# KiCad board AmigaPCI Mainboard.kicad_pcb (continued)
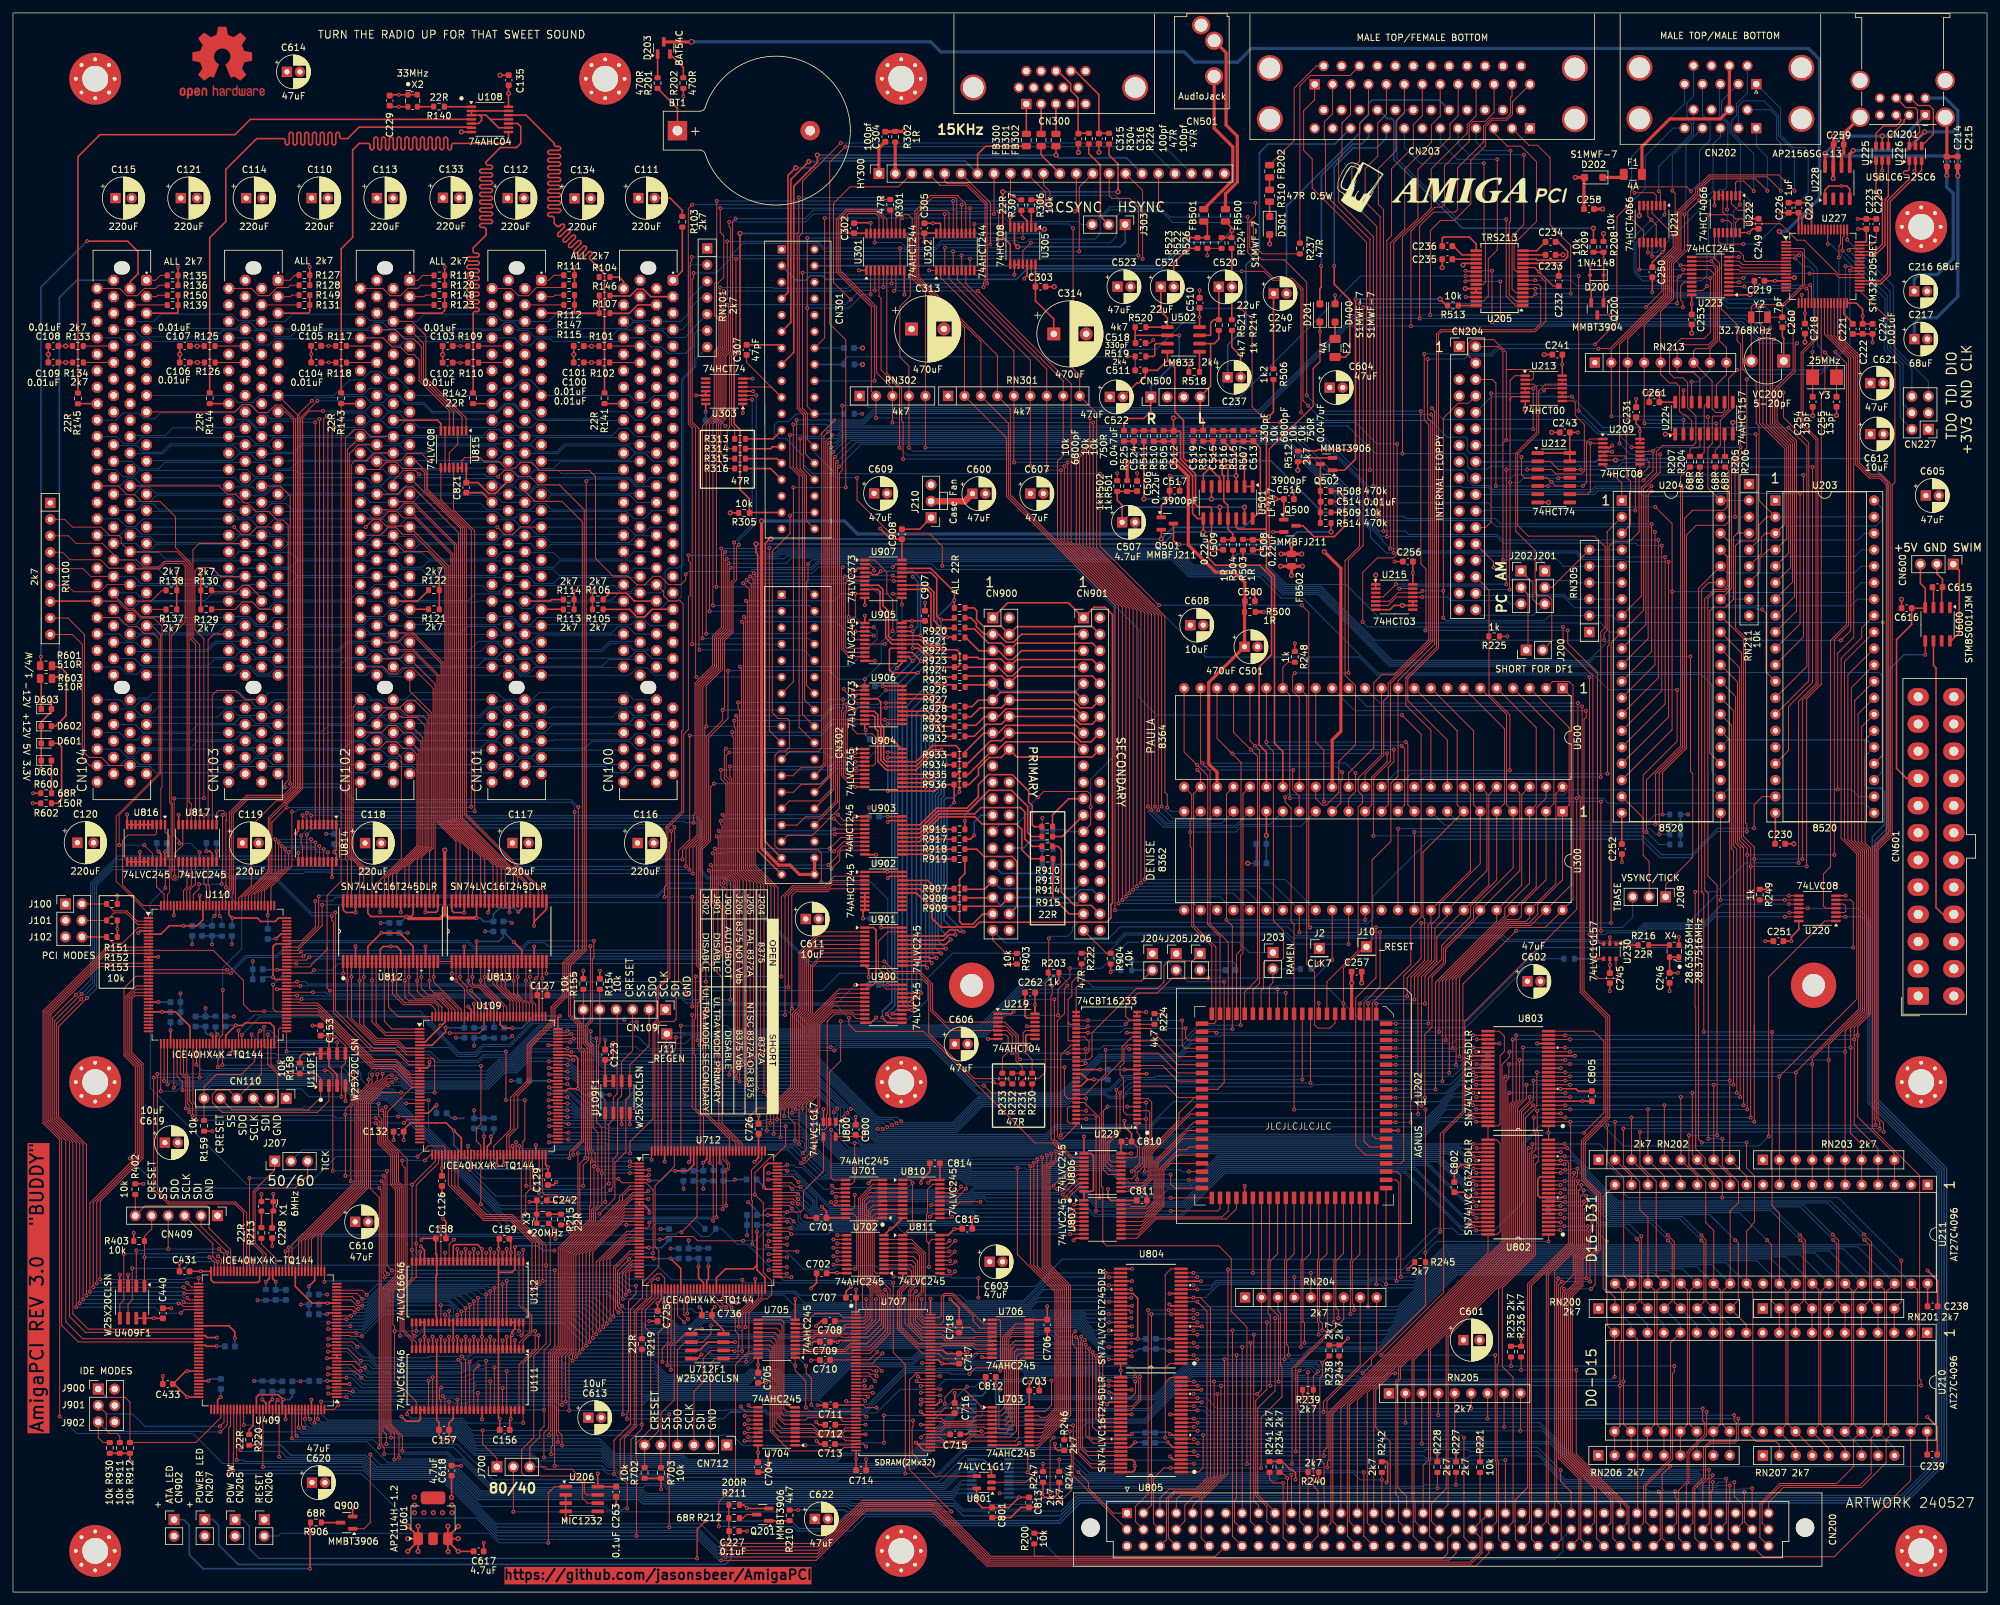
[diagram p0: board, top side]
## Placement (name value [footprint] x y rotation side) (continued)
J203  RAMEN  [PinHeader_1x02_P2.54mm_Vertical]  194.54 98.75 0 top
J204  8375/8372A  [PinHeader_1x02_P2.54mm_Vertical]  175.93 98.58 0 top
J205  Short for 8327A NTSC or 8375  [PinHeader_1x02_P2.54mm_Vertical]  179.61 98.58 0 top
J206  SHORT FOR 8375 Vbb  [PinHeader_1x02_P2.54mm_Vertical]  183.28 98.58 0 top
J207  TICK  [PinHeader_1x03_P2.54mm_Vertical]  40.41 66.53 90 top
J208  TBASE  [PinHeader_1x03_P2.54mm_Vertical]  255.17 107.35 270 top
J210  Case Fan  [FanHeader_1x03_P2.54mm_Vertical]  141.76 165.9 180 top
J303  HSYNC/COMPSYNC  [PinHeader_1x03_P2.54mm_Vertical]  171.72 211.16 270 top
J700  RAM CLOCK  [PinHeader_1x03_P2.54mm_Vertical]  74.72 19.34 90 top
J901  IDE MODES  [PinHeader_2x03_P2.54mm_Vertical]  13.17 31.35 0 top
JPCI1  PCI MODES  [PinHeader_2x03_P2.54mm_Vertical]  8.11 106.25 0 top
Q200  MMBT3904  [SOT-23]  244.62 198.14 270 top
Q201  MMBT3906  [SOT-23]  115.77 11.96 180 top
Q500  MMBFJ211  [SOT-23]  197.16 164.64 0 top
Q501  MMBFJ211  [SOT-23]  178.24 164.99 0 top
Q502  MMBT3906  [SOT-23]  202.81 174.18 180 top
Q900  MMBT3906  [SOT-23]  51.52 10.72 180 top
R101  2k7  [R_0603_1608Metric]  91.31 192.41 180 top
R102  2k7  [R_0603_1608Metric]  91.31 189.86 180 top
R103  2k7  [R_0603_1608Metric]  103.35 211.6 90 top
R104  2k7  [R_0603_1608Metric]  91.34 203.06 0 top
R105  2k7  [R_0603_1608Metric]  90.3 151.75 0 top
R106  2k7  [R_0603_1608Metric]  90.3 153.28 0 top
R107  2k7  [R_0603_1608Metric]  91.35 197.48 0 top
R109  2k7  [R_0603_1608Metric]  71.06 192.41 180 top
R110  2k7  [R_0603_1608Metric]  71.06 189.84 180 top
R111  2k7  [R_0603_1608Metric]  85.88 203.34 0 top
R112  2k7  [R_0603_1608Metric]  85.88 201.81 180 top
R113  2k7  [R_0603_1608Metric]  85.81 151.73 180 top
R114  2k7  [R_0603_1608Metric]  85.81 153.26 180 top
R115  2k7  [R_0603_1608Metric]  85.88 198.75 180 top
R117  2k7  [R_0603_1608Metric]  50.66 192.43 180 top
R118  2k7  [R_0603_1608Metric]  50.69 189.85 180 top
R119  2k7  [R_0603_1608Metric]  65.84 203.31 0 top
R120  2k7  [R_0603_1608Metric]  65.84 201.79 180 top
R121  2k7  [R_0603_1608Metric]  65 151.76 180 top
R122  2k7  [R_0603_1608Metric]  65 154.71 180 top
R123  2k7  [R_0603_1608Metric]  65.84 198.75 180 top
R125  2k7  [R_0603_1608Metric]  30.37 192.41 180 top
R126  2k7  [R_0603_1608Metric]  30.39 189.86 180 top
R127  2k7  [R_0603_1608Metric]  45 203.35 0 top
R128  2k7  [R_0603_1608Metric]  45 201.8 180 top
R129  2k7  [R_0603_1608Metric]  29.84 151.74 0 top
R130  2k7  [R_0603_1608Metric]  29.84 154.69 0 top
R131  2k7  [R_0603_1608Metric]  45 198.74 180 top
R133  2k7  [R_0603_1608Metric]  10.02 192.41 180 top
R134  2k7  [R_0603_1608Metric]  10.06 189.86 180 top
R135  2k7  [R_0603_1608Metric]  24.66 203.31 0 top
R136  2k7  [R_0603_1608Metric]  24.66 201.79 180 top
R137  2k7  [R_0603_1608Metric]  24.47 151.73 180 top
R138  2k7  [R_0603_1608Metric]  24.47 154.68 180 top
R139  2k7  [R_0603_1608Metric]  24.66 198.72 180 top
R140  22R  [R_0603_1608Metric]  65.78 229.38 180 top
R141  22R  [R_0603_1608Metric]  91.34 184.34 90 top
R142  22R  [R_0603_1608Metric]  71.02 184.34 90 top
R143  22R  [R_0603_1608Metric]  50.67 184.34 90 top
R144  22R  [R_0603_1608Metric]  30.38 184.34 90 top
R145  22R  [R_0603_1608Metric]  10.03 184.31 90 top
R146  2k7  [R_0603_1608Metric]  91.35 200.2 0 top
R147  2k7  [R_0603_1608Metric]  85.88 200.28 180 top
R148  2k7  [R_0603_1608Metric]  65.84 200.27 180 top
R149  2k7  [R_0603_1608Metric]  45 200.27 180 top
R150  2k7  [R_0603_1608Metric]  24.66 200.25 180 top
R151  10k  [R_0603_1608Metric]  15.28 106.25 180 top
R152  10k  [R_0603_1608Metric]  15.28 103.71 180 top
R153  10k  [R_0603_1608Metric]  15.28 101.16 180 top
R154  10k  [R_0603_1608Metric]  90.62 93.91 270 top
R155  10k  [R_0603_1608Metric]  88.06 93.91 270 top
R156  100R  [R_0603_1608Metric]  74.27 86.36 90 bottom
R157  100R  [R_0603_1608Metric]  74.24 72.37 270 bottom
R158  10k  [R_0603_1608Metric]  44.28 80.88 270 top
R159  10k  [R_0603_1608Metric]  29.51 72 90 top
R160  100R  [R_0603_1608Metric]  32.27 102.1 90 bottom
R161  100R  [R_0603_1608Metric]  31.27 88.1 270 bottom
R200  10k  [R_0603_1608Metric]  157.69 8.26 90 top
R201  470R  [R_0603_1608Metric]  99.53 233.01 90 top
R202  470R  [R_0603_1608Metric]  103.5 233.01 90 top
R203  1k  [R_0603_1608Metric]  160.67 95.65 0 top
R204  68R  [R_0603_1608Metric]  260.46 174.54 270 top
R205  68R  [R_0603_1608Metric]  262.84 174.54 270 top
R206  68R  [R_0603_1608Metric]  264.36 174.54 270 top
R207  68R  [R_0603_1608Metric]  258.94 174.54 270 top
R208  10k  [R_0603_1608Metric]  245.57 207.72 90 top
R209  10k  [R_0603_1608Metric]  244.02 207.72 270 top
R210  4k7  [R_0603_1608Metric]  119.91 11.84 270 top
R211  68R  [R_0603_1608Metric]  111.35 11.44 0 top
R212  200R  [R_0603_1608Metric]  111.35 13.46 180 top
R213  22R  [R_0603_1608Metric]  38.36 55.45 90 top
R214  1k  [R_0603_1608Metric]  188.2 195.64 270 top
R215  22R  [R_0603_1608Metric]  84.62 57.52 90 top
R216  22R  [R_0603_1608Metric]  251.75 99.9 0 top
R217  22R  [R_0603_1608Metric]  240.29 97.79 0 bottom
R218  22R  [R_0603_1608Metric]  107.68 56.09 0 bottom
R219  22R  [R_0603_1608Metric]  97.1 38.31 270 top
R220  22R  [R_0603_1608Metric]  36.48 23.5 270 top
R221  10k  [R_0603_1608Metric]  226.52 19.3 270 top
R222  47R  [R_0603_1608Metric]  165 97.82 270 top
R223  10k  [R_0603_1608Metric]  171.9 97.56 0 bottom
R224  4k7  [R_0603_1608Metric]  176.26 88.48 270 top
R225  1k  [R_0603_1608Metric]  228.7 147.57 180 top
R226  47R  [R_0603_1608Metric]  169.23 224.44 270 top
R227  2k7  [R_0603_1608Metric]  222.81 19.31 270 top
R228  2k7  [R_0603_1608Metric]  219.93 19.31 270 top
R229  10k  [R_0603_1608Metric]  171.9 96.02 0 bottom
R230  47R  [R_0603_1608Metric]  157.36 79.3 90 top
R231  47R  [R_0603_1608Metric]  155.83 79.29 90 top
R232  47R  [R_0603_1608Metric]  154.3 79.29 90 top
R233  47R  [R_0603_1608Metric]  152.77 79.29 90 top
R234  2k7  [R_0603_1608Metric]  195.55 19.33 270 top
R235  2k7  [R_0603_1608Metric]  231.3 37.12 270 top
R236  2k7  [R_0603_1608Metric]  232.85 37.12 270 top
R237  47R  [R_0603_1608Metric]  198.7 207.46 90 top
R238  2k7  [R_0603_1608Metric]  203.24 37.3 270 top
R239  2k7  [R_0603_1608Metric]  199.94 31.24 0 top
R240  2k7  [R_0603_1608Metric]  200.77 18.51 180 top
R241  2k7  [R_0603_1608Metric]  194.01 19.33 270 top
R242  2k7  [R_0603_1608Metric]  211.35 19.3 270 top
R243  2k7  [R_0603_1608Metric]  204.78 37.29 270 top
R244  2k7  [R_0603_1608Metric]  161.54 17.78 90 top
R245  2k7  [R_0603_1608Metric]  217.26 50.95 0 top
R246  2k7  [R_0603_1608Metric]  162.32 22.68 90 top
R247  2k7  [R_0603_1608Metric]  159.03 17.78 90 top
R248  1k  [R_0603_1608Metric]  197.92 144.41 270 top
R249  1k  [R_0603_1608Metric]  269.7 107.7 270 top
R300  10k  [R_0603_1608Metric]  129.07 181.94 0 bottom
R301  47R  [R_0603_1608Metric]  135.45 214.21 270 top
R302  1R  [R_0603_1608Metric]  136.22 224.72 90 top
R303  1k  [R_0603_1608Metric]  256.63 120.07 180 bottom
R304  47R  [R_0603_1608Metric]  166.12 224.44 270 top
R305  10k  [R_0603_1608Metric]  112.88 166.65 180 top
R306  10k  [R_0603_1608Metric]  157.22 214.16 270 top
R307  22R  [R_0603_1608Metric]  155.69 214.16 90 top
R308  10k  [R_0603_1608Metric]  129.07 189.56 0 bottom
R309  1k  [R_0603_1608Metric]  256.63 116.98 180 bottom
R310  47R 0.5W  [R_0805_2012Metric]  194.02 215.62 270 top
R311  1k  [R_0603_1608Metric]  256.63 118.52 180 bottom
R312  1k  [R_0603_1608Metric]  256.63 115.44 180 bottom
R313  47R  [R_0603_1608Metric]  112.26 178.07 180 top
R314  47R  [R_0603_1608Metric]  112.26 176.55 180 top
R315  47R  [R_0603_1608Metric]  112.26 175.02 180 top
R316  47R  [R_0603_1608Metric]  112.26 173.49 180 top
R400  100R  [R_0603_1608Metric]  38.51 31.76 270 bottom
R401  100R  [R_0603_1608Metric]  39.04 45.88 90 bottom
R402  10k  [R_0603_1608Metric]  18.89 62.21 270 top
R403  10k  [R_0603_1608Metric]  19.47 54.21 0 top
R500  1R  [R_0603_1608Metric]  190.98 151.35 180 top
R501  1k  [R_0603_1608Metric]  172.03 170.79 270 top
R502  1k  [R_0603_1608Metric]  170.5 170.79 90 top
R503  1R  [R_0603_1608Metric]  189.91 161.71 90 top
R504  1R  [R_0603_1608Metric]  188.37 161.72 270 top
R505  750R  [R_0603_1608Metric]  177.68 178.52 90 top
R506  1k2  [R_0603_1608Metric]  194.62 188.05 270 top
R507  750R  [R_0603_1608Metric]  189.98 178.54 90 top
R508  470k  [R_0603_1608Metric]  202.68 170.01 180 top
R509  10k  [R_0603_1608Metric]  202.68 166.72 0 top
R510  10k  [R_0603_1608Metric]  176.14 178.52 90 top
R511  10k  [R_0603_1608Metric]  174.61 178.52 270 top
R512  2k7  [R_0603_1608Metric]  198.38 175.38 90 top
R513  10k  [R_0603_1608Metric]  222.35 198.67 180 top
R514  470k  [R_0603_1608Metric]  202.68 165.07 180 top
R515  10k  [R_0603_1608Metric]  188.44 178.54 90 top
R516  10k  [R_0603_1608Metric]  186.89 178.54 270 top
R517  10k  [R_0603_1608Metric]  183.76 178.54 90 top
R518  2k4  [R_0603_1608Metric]  182.38 188.41 180 top
R519  2k4  [R_0603_1608Metric]  174.1 190.8 180 top
R520  4k7  [R_0603_1608Metric]  174.1 195.32 0 top
R521  4k7  [R_0603_1608Metric]  186.19 195.64 90 top
R522  1k  [R_0603_1608Metric]  182.88 208.32 270 top
R523  1k  [R_0603_1608Metric]  184.41 208.32 90 top
R524  1k  [R_0603_1608Metric]  188.15 208.32 270 top
R525  10k  [R_0603_1608Metric]  171.54 178.52 90 top
R526  1k  [R_0603_1608Metric]  186.61 208.32 90 top
R600  150R  [R_0603_1608Metric]  5.12 121.8 0 top
R601  510R  [R_0805_2012Metric]  5.11 143.03 0 top
R602  68R  [R_0603_1608Metric]  5.12 123.35 0 top
R603  510R  [R_0805_2012Metric]  5.11 141.07 0 top
R700  100R  [R_0603_1608Metric]  108.12 64.27 90 bottom
R701  100R  [R_0603_1608Metric]  107.38 52.27 270 bottom
R702  10k  [R_0603_1608Metric]  97.53 18.4 90 top
R703  10k  [R_0603_1608Metric]  100.05 18.4 90 top
R900  1k  [R_0603_1608Metric]  159.76 117.72 0 bottom
R901  82R  [R_0603_1608Metric]  159.78 110.34 180 bottom
R902  4k7  [R_0603_1608Metric]  159.76 114.77 180 bottom
R903  10k  [R_0603_1608Metric]  155 97.78 270 top
R904  10k  [R_0603_1608Metric]  169.48 97.82 270 top
R905  82R  [R_0603_1608Metric]  159.75 112.35 0 bottom
R906  68R  [R_0603_1608Metric]  46.78 10.74 180 top
R907  22R  [R_0603_1608Metric]  146.13 108.62 0 top
R908  22R  [R_0603_1608Metric]  146.13 107.1 0 top
R909  22R  [R_0603_1608Metric]  146.13 105.58 0 top
R910  22R  [R_0603_1608Metric]  159.69 118.19 0 top
R911  10k  [R_0603_1608Metric]  16.5 22.25 270 top
R912  10k  [R_0603_1608Metric]  18.06 22.25 270 top
R913  22R  [R_0603_1608Metric]  159.69 116.67 0 top
R914  22R  [R_0603_1608Metric]  159.69 115.15 0 top
R915  22R  [R_0603_1608Metric]  159.75 113.24 0 top
R916  22R  [R_0603_1608Metric]  146.15 117.77 0 top
R917  22R  [R_0603_1608Metric]  146.15 116.25 0 top
R918  22R  [R_0603_1608Metric]  146.14 114.72 0 top
R919  22R  [R_0603_1608Metric]  146.15 113.19 0 top
R920  22R  [R_0603_1608Metric]  146.17 151.97 0 top
R921  22R  [R_0603_1608Metric]  146.17 150.45 0 top
R922  22R  [R_0603_1608Metric]  146.17 148.93 0 top
R923  22R  [R_0603_1608Metric]  146.17 147.41 0 top
R924  22R  [R_0603_1608Metric]  146.19 144.34 0 top
R925  22R  [R_0603_1608Metric]  146.19 142.82 0 top
R926  22R  [R_0603_1608Metric]  146.19 141.29 0 top
R927  22R  [R_0603_1608Metric]  146.19 139.76 0 top
R928  22R  [R_0603_1608Metric]  146.17 136.73 0 top
R929  22R  [R_0603_1608Metric]  146.15 135.2 0 top
R930  10k  [R_0603_1608Metric]  14.95 22.25 270 top
R931  22R  [R_0603_1608Metric]  146.15 133.67 0 top
R932  22R  [R_0603_1608Metric]  146.15 132.14 0 top
R933  22R  [R_0603_1608Metric]  146.14 129.29 0 top
R934  22R  [R_0603_1608Metric]  146.14 127.75 0 top
R935  22R  [R_0603_1608Metric]  146.14 126.22 0 top
R936  22R  [R_0603_1608Metric]  146.14 124.69 0 top
REF**  -  [OSHW-Logo2_14.6x12mm_Copper]  32.31 236.16 0 top
RJ203  10k  [R_0603_1608Metric]  199.61 96.21 180 bottom
RN100  2k7  [R_Array_SIP9]  5.76 168.18 270 top
RN101  2k7  [R_Array_SIP7]  107.19 207.49 270 top
RN200  2k7  [R_Array_SIP9]  244.81 43.79 0 top
RN201  2k7  [R_Array_SIP9]  270.18 43.78 0 top
RN202  2k7  [R_Array_SIP9]  244.82 66.75 0 top
RN203  2k7  [R_Array_SIP9]  270.19 66.74 0 top
RN204  2k7  [R_Array_SIP9]  190.23 45.49 0 top
RN205  2k7  [R_Array_SIP9]  212.45 30.69 0 top
RN206  2k7  [R_Array_SIP9]  244.76 21.1 0 top
RN207  2k7  [R_Array_SIP9]  270.19 21.08 0 top
RN211  10k  [R_Array_SIP9]  268.05 171.1 270 top
RN213  4k7  [R_Array_SIP9]  244.24 189.85 0 top
RN301  4k7  [R_Array_SIP9]  144.38 184.7 0 top
RN302  4k7  [R_Array_SIP5]  130.72 184.7 0 top
RN305  1k  [R_Array_SIP6]  243.4 148.23 90 top
U108  74AHC04  [TSSOP-14_4.4x5mm_P0.65mm]  73.65 227.41 0 top
U109  ICE40HX4K-TQ144  [LQFP-144_20x20mm_P0.5mm]  73.48 78.19 0 top
U109F1  W25X20CLSN  [SOIC-8_3.9x4.9mm_P1.27mm]  93.34 76.43 90 top
U110  ICE40HX4K-TQ144  [LQFP-144_20x20mm_P0.5mm]  31.59 95.34 0 top
U110F1  W25X20CLSN  [SOIC-8_3.9x4.9mm_P1.27mm]  49.42 80.68 90 top
U111  74LVC16646  [SSOP-56_7.5x18.5mm_P0.635mm]  70.2 32.8 270 top
U112  74LVC16646  [SSOP-56_7.5x18.5mm_P0.635mm]  70.2 46.35 270 top
U202  Agnus_MULTI  [PLCC-84_SMD-Socket]  197.8 75.08 270 top
U203  8520  [DIP-40_W15.24mm_Socket]  272.12 168.56 0 top
U204  8520  [DIP-40_W15.24mm_Socket]  248.41 168.56 0 top
U205  TRS213  [SSOP-28_5.3x10.2mm_P0.65mm]  229.52 202.9 180 top
U206  MIC1232  [SOIC-8_3.9x4.9mm_P1.27mm]  87.82 14.37 0 top
U209  74HCT08  [TSSOP-14_4.4x5mm_P0.65mm]  248.35 176.1 0 top
U210  AT27C4096  [DIP-40_W15.24mm_Socket]  295.55 40.03 270 top
U211  AT27C4096  [DIP-40_W15.24mm_Socket]  295.62 62.88 270 top
U212  74HCT74  [SOIC-14_3.9x8.7mm_P1.27mm]  237.9 172.06 0 top
U213  74HCT00  [TSSOP-14_4.4x5mm_P0.65mm]  236.35 185.88 0 top
U215  74HCT03  [TSSOP-14_4.4x5mm_P0.65mm]  213.27 153.65 0 top
U219  74AHCT04  [TSSOP-14_4.4x5mm_P0.65mm]  154.94 87.36 0 top
U220  74LVC08  [TSSOP-14_4.4x5mm_P0.65mm]  278.6 105.58 180 top
U221  74HCT4066  [TSSOP-14_4.4x5mm_P0.65mm]  253.07 211.24 270 top
U222  74HCT4066  [TSSOP-14_4.4x5mm_P0.65mm]  264.67 212.77 270 top
U223  74HCT245  [TSSOP-20_4.4x6.5mm_P0.65mm]  262.07 203.23 180 top
U224  74AHCT157  [SOIC-16_3.9x9.9mm_P1.27mm]  261.1 181.27 90 top
U225  USBLC6-2SC6  [SOT-23-6]  288.61 222.16 90 top
U226  USBLC6-2SC6  [SOT-23-6]  293.75 222.16 90 top
U227  STM32F205RET7  [LQFP-64_10x10mm_P0.5mm]  279.45 204.72 0 top
U228  AP2156SG-13  [SOIC-8_3.9x4.9mm_P1.27mm]  281.69 217.62 90 top
U229  74CBT16233  [SSOP-56_7.5x18.5mm_P0.635mm]  168.86 80.99 180 top
U230  74LVC1G157  [TSOP-6_1.65x3.05mm_P0.95mm]  246.56 98.95 270 top
U300  8362  [DIP-48_W15.24mm]  239.25 120.54 270 top
U301  74AHCT244  [TSSOP-20_4.4x6.5mm_P0.65mm]  134.7 206.95 90 top
U302  74AHCT244  [TSSOP-20_4.4x6.5mm_P0.65mm]  145.5 206.95 90 top
U303  74HCT74  [TSSOP-14_4.4x5mm_P0.65mm]  109.82 185.43 180 top
U305  74HCT08  [TSSOP-14_4.4x5mm_P0.65mm]  155.93 207.89 270 top
U409  ICE40HX4K-TQ144  [LQFP-144_20x20mm_P0.5mm]  39.34 38.86 180 top
U409F1  W25X20CLSN  [SOIC-8_3.9x4.9mm_P1.27mm]  18.41 44.76 270 top
U500  8364  [DIP-48_W15.24mm]  239.25 139.58 270 top
U501  LF347  [SOIC-14_3.9x8.7mm_P1.27mm]  187.6 168.24 270 top
U502  LM833  [SOIC-8_3.9x4.9mm_P1.27mm]  180.73 193.42 0 top
U600  STM8S001J3M  [SO-8_3.9x4.9mm_P1.27mm]  297.16 149.45 270 top
U601  AP2114H-1.2  [SOT-223-3_TabPin2]  64.86 11.39 90 top
U701  74AHC245  [TSSOP-20_4.4x6.5mm_P0.65mm]  131.4 60.7 180 top
U702  74AHC245  [TSSOP-20_4.4x6.5mm_P0.65mm]  131.61 52.17 180 top
U703  74AHC245  [TSSOP-20_4.4x6.5mm_P0.65mm]  154.05 25.59 0 top
U704  74AHC245  [TSSOP-20_4.4x6.5mm_P0.65mm]  117.91 25.59 180 top
U705  74AHC245  [TSSOP-20_4.4x6.5mm_P0.65mm]  117.91 39.12 180 top
U706  74AHC245  [TSSOP-20_4.4x6.5mm_P0.65mm]  154.05 39.12 0 top
U707  SDRAM(2Mx32)  [TSOP-II-86]  135.91 32.35 0 top
U712  ICE40HX4K-TQ144  [LQFP-144_20x20mm_P0.5mm]  107.37 57.45 0 top
U712F1  W25X20CLSN  [SOIC-8_3.9x4.9mm_P1.27mm]  107.22 37.95 0 top
U800  74LVC1G17  [SOT-23-5]  126.09 71.46 270 top
U801  74LVC1G17  [SOT-23-5]  149.94 16.95 180 top
U802  SN74LVC16T245DLR  [48-BSSOP]  232.42 62.53 180 top
U803  SN74LVC16T245DLR  [48-BSSOP]  232.42 79.3 180 top
U804  SN74LVC16T245DLR  [48-BSSOP]  175.7 42.61 180 top
U805  SN74LVC16T245DLR  [48-BSSOP]  175.7 25.84 180 top
U806  74LVC245  [TSSOP-20_4.4x6.5mm_P0.65mm]  168.22 64.8 0 top
U807  74LVC245  [TSSOP-20_4.4x6.5mm_P0.65mm]  168.22 57.56 0 top
U808  74LVC245  [TSSOP-20_4.4x6.5mm_P0.65mm]  150.93 27.38 0 bottom
U809  74LVC245  [TSSOP-20_4.4x6.5mm_P0.65mm]  150.93 17.54 0 bottom
U810  74LVC245  [TSSOP-20_4.4x6.5mm_P0.65mm]  140.26 60.7 0 top
U811  74LVC245  [TSSOP-20_4.4x6.5mm_P0.65mm]  140.26 52.17 0 top
U812  SN74LVC16T245DLR  [48-BSSOP]  58.29 102.04 90 top
U813  SN74LVC16T245DLR  [48-BSSOP]  75.07 102.04 90 top
U814  74LVC245  [TSSOP-20_4.4x6.5mm_P0.65mm]  47 115.63 270 top
U815  74LVC08  [TSSOP-14_4.4x5mm_P0.65mm]  68.02 176.46 270 top
U816  74LVC245  [TSSOP-20_4.4x6.5mm_P0.65mm]  20.56 115.63 270 top
U817  74LVC245  [TSSOP-20_4.4x6.5mm_P0.65mm]  28.5 115.63 270 top
U900  74LVC245  [TSSOP-20_4.4x6.5mm_P0.65mm]  134.39 90.83 0 top
U901  74LVC245  [TSSOP-20_4.4x6.5mm_P0.65mm]  134.39 99.67 0 top
U902  74AHCT245  [TSSOP-20_4.4x6.5mm_P0.65mm]  134.39 108.26 0 top
U903  74AHCT245  [TSSOP-20_4.4x6.5mm_P0.65mm]  134.39 116.84 0 top
U904  74LVC245  [TSSOP-20_4.4x6.5mm_P0.65mm]  134.39 127.25 0 top
U905  74LVC245  [TSSOP-20_4.4x6.5mm_P0.65mm]  134.39 146.72 0 top
U906  74LVC373  [TSSOP-20_4.4x6.5mm_P0.65mm]  134.39 136.98 0 top
U907  74LVC373  [TSSOP-20_4.4x6.5mm_P0.65mm]  134.39 156.45 0 top
VC200  5-20pF  [TrimmerCap]  270.9 190.1 180 top
X1  6MHz  [Oscillator_SMD_ECS_2520MV-xxx-xx-4Pin_2.5x2.0mm]  39.28 59.56 270 top
X2  33MHz  [Oscillator_SMD_ECS_2520MV-xxx-xx-4Pin_2.5x2.0mm]  61.7 230.28 0 top
X3  20MHz  [Oscillator_SMD_ECS_2520MV-xxx-xx-4Pin_2.5x2.0mm]  81.79 57.63 90 top
X4  28.63636MHz  [Oscillator_SMD_ECS_2520MV-xxx-xx-4Pin_2.5x2.0mm]  256.5 98.98 180 top
Y2  32.768KHz  [Crystal_SMD_3215-2Pin_3.2x1.5mm]  269.64 196.86 0 top
Y3  25MHz  [Crystal_SMD_5032-2Pin_5.0x3.2mm]  279.71 187.59 180 top

## Library data of the parts
C100-C109 C123-C132 C135-C153 C156-C159 C213-C215 C218-C236 C238 C239 C241-C243 C245 C246 C249-C263 C267 C300-C307 C312 C315 C316 C420 C421 C429-C440 C500 C506 C508-C519 C524 C615-C618 C701-C730 C735 C736 C800-C823 C900-C902 C904-C908 = -: ki_fp_filters: C_*
C110-C121 C133 C134 C216 C217 C237 C240 C313 C314 C501 C507 C522 C523 C600-C614 C619-C622 = -: ki_fp_filters: CP_*
C520 C521 = -: Volts: 16V; ki_fp_filters: CP_*
CN109 CN110 CN205-CN207 CN409 CN600 CN712 CN902 HY300 J2 J10 J11 J200-J202 J207 J208 J210 = -: ki_fp_filters: Connector*:*_1x??_*
CN200 = -: Description: DIN41612 connector, three row, 03x40; ki_fp_filters: DIN41612*2x*
CN201 = -: ki_fp_filters: USB*
CN202 = -: ki_fp_filters: DSUB*Male*
CN203 CN300 = -: ki_fp_filters: DSUB*Female*
CN204 CN227 CN900 CN901 J901 JPCI1 = -: ki_fp_filters: Connector*:*_2x??_*
CN500 = -: Part Number: 5-103639-3; ki_fp_filters: Connector*:*_1x??_*
CN501 = -: Part: SJ1-3533NG; ki_fp_filters: Jack*
CN601 = -: Datasheet: https://www.intel.com/content/dam/www/public/us/en/documents/guides/power-supply-design-guide-june.pdf#page=33; Part: 39281243; ki_fp_filters: *Mini?Fit*2x12*Vertical* *Mini?Fit*2x12*Horizontal*
D200 = -: Datasheet: https://assets.nexperia.com/documents/data-sheet/1N4148_1N4448.pdf; pART: 1N4148WSTR; ki_fp_filters: D*DO?35*
D201 D202 D301 D400 = -: Datasheet: http://www.vishay.com/docs/88503/1n4001.pdf; ki_fp_filters: D*DO?41*
D203 = -: Datasheet: http://www.diodes.com/_files/datasheets/ds11005.pdf; ki_fp_filters: SOT?23*
D600-D603 = -: ki_fp_filters: LED* LED_SMD:* LED_THT:*
F1 F2 = -: ki_fp_filters: *Fuse*
FB202 FB500-FB502 = -: ki_fp_filters: Inductor_* L_* *Ferrite*
FB300-FB302 = -: Part: ILHB1206ER750V; ki_fp_filters: Inductor_* L_* *Ferrite*
H1-H12 = -: ki_fp_filters: MountingHole*Pad*
J203-J206 = -: ki_fp_filters: Jumper* TestPoint*2Pads* TestPoint*Bridge*
J303 = -: ki_fp_filters: Jumper* TestPoint*3Pads* TestPoint*Bridge*
J700 = -: Description: Jumper, 3-pole, both open; ki_fp_filters: Jumper* TestPoint*3Pads* TestPoint*Bridge*
Q200 = -: Datasheet: https://www.onsemi.com/pdf/datasheet/pzt3904-d.pdf; ki_fp_filters: SOT?23*
Q201 Q502 = -: Datasheet: https://www.onsemi.com/pdf/datasheet/pzt3906-d.pdf; ki_fp_filters: SOT?23*
Q500 Q501 = -: Datasheet: https://www.nxp.com/docs/en/data-sheet/BF545A_BF545B_BF545C.pdf; ki_fp_filters: SOT?23*
Q900 = -: Datasheet: https://www.onsemi.com/pdf/datasheet/pzt3906-d.pdf; Description: -0.2A Ic, -40V Vce, Small Signal PNP Transistor, SOT-23; ki_fp_filters: SOT?23*
R101-R107 R109-R115 R117-R123 R125-R131 R133-R161 R200-R236 R238-R249 R300-R316 R400-R403 R500-R526 R600-R603 R700-R703 R900-R936 RJ203 = -: ki_fp_filters: R_*
R237 = -: Wattage: 1W; ki_fp_filters: R_*
RN100 RN200-RN207 = -: Datasheet: http://www.vishay.com/docs/31509/csc.pdf; Description: 8 resistor network, star topology, bussed resistors, small symbol; ki_fp_filters: R?Array?SIP*
RN101 = -: Datasheet: http://www.vishay.com/docs/31509/csc.pdf; Description: 6 resistor network, star topology, bussed resistors, small symbol; ki_fp_filters: R?Array?SIP*
RN211 RN213 RN301 RN302 RN305 = -: Datasheet: http://www.vishay.com/docs/31509/csc.pdf; ki_fp_filters: R?Array?SIP*
U108 U219 = -: Datasheet: http://www.ti.com/lit/gpn/sn74LS04; ki_fp_filters: DIP*W7.62mm* SSOP?14* TSSOP?14*
U109 U110 U409 U712 = -: Description: IC FPGA 107 I/O 144TQFP; Availability: Unavailable; MF: Lattice Semiconductor; Package: TQFP-144 Lattice Semiconductor; Price: None
U109F1 U110F1 U409F1 U712F1 = -: Datasheet: https://www.winbond.com/resource-files/w25x20cl_revf%2020150806.pdf; ki_fp_filters: SOIC*3.9x4.9mm*P1.27mm*
U111 U112 = -: ki_fp_filters: DL56 DL56-M DL56-L
U205 = -: Datasheet: https://www.ti.com/lit/ds/symlink/trs213.pdf; Part Number: TRS213IDB; ki_fp_filters: SOIC*7.5x12.8mm*P1.27mm*
U206 = -: Datasheet: https://ww1.microchip.com/downloads/aemDocuments/documents/APID/ProductDocuments/DataSheets/MIC1232-5V-Voltage-Supervisor-with-Manual-Reset-Watchdog-Timer-and-Dual-Reset-Outputs-DS20006726.pdf; Description: Supply-Voltage Supervisors w/Watchdog and Pushbutton Reset, 5V, PDIP-8/SOIC-8; ki_fp_filters: SOIC*3.9x4.9mm*P1.27mm* DIP*W7.62mm*
U209 U220 U305 U815 = -: Datasheet: http://www.ti.com/lit/gpn/sn74LS08; ki_fp_filters: DIP*W7.62mm*
U212 = -: Datasheet: 74xx/74hc_hct74.pdf; ki_fp_filters: DIP*W7.62mm*
U213 = -: Datasheet: http://www.ti.com/lit/gpn/sn74ls00; ki_fp_filters: DIP*W7.62mm* SO14*
U215 = -: Datasheet: http://www.ti.com/lit/gpn/sn74LS03; ki_fp_filters: DIP*W7.62mm**
U221 U222 = -: Datasheet: https://www.ti.com/lit/ds/symlink/cd4066b.pdf; ki_fp_filters: DIP*W7.62*
U223 U701-U704 U806-U811 U814 U816 U817 U900-U905 = -: Datasheet: http://www.ti.com/lit/gpn/sn74LS245; ki_fp_filters: DIP?20*
U224 = -: Datasheet: http://www.ti.com/lit/gpn/sn74LS157; ki_fp_filters: DIP?16*
U225 U226 = -: Datasheet: https://www.st.com/resource/en/datasheet/usblc6-2.pdf; ki_fp_filters: SOT?23*
U227 = -: Datasheet: https://www.st.com/resource/en/datasheet/stm32f205re.pdf; ki_fp_filters: LQFP*10x10mm*P0.5mm*
U229 = -: Datasheet: https://www.ti.com/lit/ds/symlink/sn74cbt16233.pdf?HQS=dis-dk-null-digikeymode-dsf-pf-null-wwe&ts=1686702107606&ref_url=https%253A%252F%252Fwww.ti.com%252Fgeneral%252Fdocs%252Fsuppproductinfo.tsp%253FdistId%253D10%2526gotoUrl%253Dhttps%253A%252F%252Fwww.ti.com%252Flit%252Fgpn%252Fsn74cbt16233; Part Number: SN74CBT16233DL; ki_fp_filters: SSOP*3.9x4.9mm*P0.635mm* TSSOP*4.4x5mm*P0.65mm* TVSOP*4.4x3.6mm*P0.4mm* SOIC*3.9x9.9mm*P1.27mm*
U230 = -: Datasheet: https://assets.nexperia.com/documents/data-sheet/74LVC1G157.pdf; ki_fp_filters: DIP?16*
U301 U302 = -: Datasheet: https://assets.nexperia.com/documents/data-sheet/74HC_HCT244.pdf; ki_fp_filters: TSSOP*4.4x6.5mm*P0.65mm* SSOP*4.4x6.5mm*P0.65mm*
U303 = -: ki_fp_filters: DIP*W7.62mm*
U600 = -: Datasheet: https://www.st.com/resource/en/datasheet/stm8s001j3.pdf; ki_fp_filters: SO*3.9x4.9mm*P1.27mm*
U601 = -: Datasheet: http://www.ti.com/lit/ds/symlink/lm1117.pdf; ki_fp_filters: TO?252*
U705 U706 = -: Datasheet: http://www.ti.com/lit/gpn/sn74HC245; ki_fp_filters: DIP?20*
U707 = -: Datasheet: https://www.issi.com/WW/pdf/42-45S16100H.pdf
U800 U801 = -: Datasheet: https://www.ti.com/lit/ds/symlink/sn74lvc1g17.pdf; ki_fp_filters: SOT?23* Texas?R-PDSO-G5?DCK* Texas?R-PDSO-N5?DRL* Texas?X2SON*0.8x0.8mm*P0.48mm*
U802-U805 U812 U813 = -: ki_fp_filters: DL48 DL48-M DL48-L
U906 U907 = -: Datasheet: https://www.ti.com/lit/ds/symlink/cd54hc373.pdf; ki_fp_filters: DIP?20* SOIC?20* SO?20* SSOP?20* TSSOP?20*
VC200 = -: Datasheet: https://media.digikey.com/pdf/Data%20Sheets/EW%20Electronics-Edmar/GKGxx015_016_Series_DS.pdf; Part Number: GKG20015
X1-X4 = -: Datasheet: http://cdn-reichelt.de/documents/datenblatt/B400/XO32.pdf; ki_fp_filters: Oscillator*SMD*EuroQuartz*XO32*3.2x2.5mm*
Y2 = -: Part Number: FC-135 32.7680KA-AG0; ki_fp_filters: Crystal*
Y3 = -: Part: 445C33D25M00000; ki_fp_filters: Crystal*

## Footprints (pads in the part's own frame, mm; a bottom-side part is the same pattern mirrored in y, then rotated)
2x18_P2.54mm_Horizontal
  rrect 1.31x1.31 hole 0.71: 1(-22.733,-2.413)
  round 1.31 hole 0.71: 2(-22.733,2.667) 3(-20.193,-2.413) 4(-20.193,2.667) 5(-17.653,-2.413) 6(-17.653,2.667) 7(-15.113,-2.413) 8(-15.113,2.667) 9(-12.573,-2.413) 10(-12.573,2.667) 11(-10.033,-2.413) 12(-10.033,2.667) 13(-7.493,-2.413) 14(-7.493,2.667) 15(-4.953,-2.413) 16(-4.953,2.667) 17(-2.413,-2.413) 18(-2.413,2.667) 19(0.127,-2.413) 20(0.127,2.667) 21(2.667,-2.413) 22(2.667,2.667) 23(5.207,-2.413) 24(5.207,2.667) 25(7.747,-2.413) 26(7.747,2.667) 27(10.287,-2.413) 28(10.287,2.667) 29(12.827,-2.413) 30(12.827,2.667) 31(15.367,-2.413) 32(15.367,2.667) 33(17.907,-2.413) 34(17.907,2.667) 35(20.447,-2.413) 36(20.447,2.667)
48-BSSOP
  rect 2.045x0.406 smd: 1(-4.667,7.303) 2(-4.667,6.668) 3(-4.667,6.032) 4(-4.667,5.397) 5(-4.667,4.763) 6(-4.667,4.128) 7(-4.667,3.493) 8(-4.667,2.857) 9(-4.667,2.223) 10(-4.667,1.587) 11(-4.667,0.953) 12(-4.667,0.318) 13(-4.667,-0.318) 14(-4.667,-0.953) 15(-4.667,-1.587) 16(-4.667,-2.223) 17(-4.667,-2.857) 18(-4.667,-3.493) 19(-4.667,-4.128) 20(-4.667,-4.763) 21(-4.667,-5.397) 22(-4.667,-6.032) 23(-4.667,-6.668) 24(-4.667,-7.303) 25(4.667,-7.303) 26(4.667,-6.668) 27(4.667,-6.032) 28(4.667,-5.397) 29(4.667,-4.763) 30(4.667,-4.128) 31(4.667,-3.493) 32(4.667,-2.857) 33(4.667,-2.223) 34(4.667,-1.587) 35(4.667,-0.953) 36(4.667,-0.318) 37(4.667,0.318) 38(4.667,0.953) 39(4.667,1.587) 40(4.667,2.223) 41(4.667,2.857) 42(4.667,3.493) 43(4.667,4.128) 44(4.667,4.763) 45(4.667,5.397) 46(4.667,6.032) 47(4.667,6.668) 48(4.667,7.303)
ATA_Header_2x20_P2.54mm
  rect 1.7x1.7 hole 1: 1(0,0)
  oval 1.7x1.7 hole 1: 2(2.54,0) 3(0,-2.54) 4(2.54,-2.54) 5(0,-5.08) 6(2.54,-5.08) 7(0,-7.62) 8(2.54,-7.62) 9(0,-10.16) 10(2.54,-10.16) 11(0,-12.7) 12(2.54,-12.7) 13(0,-15.24) 14(2.54,-15.24) 15(0,-17.78) 16(2.54,-17.78) 17(0,-20.32) 18(2.54,-20.32) 19(0,-22.86) 21(0,-25.4) 22(2.54,-25.4) 23(0,-27.94) 24(2.54,-27.94) 25(0,-30.48) 26(2.54,-30.48) 27(0,-33.02) 28(2.54,-33.02) 29(0,-35.56) 30(2.54,-35.56) 31(0,-38.1) 32(2.54,-38.1) 33(0,-40.64) 34(2.54,-40.64) 35(0,-43.18) 36(2.54,-43.18) 37(0,-45.72) 38(2.54,-45.72) 39(0,-48.26) 40(2.54,-48.26)
BatteryHolder_Keystone_103_1x20mm
  rect 3x3 hole 1.5: 1(0,0)
  round 3 hole 1.5: 2(20.49,0)
C_0603_1608Metric
  rrect 0.9x0.95 smd: 1(-0.775,0) 2(0.775,0)
C_0805_2012Metric
  rrect 1x1.45 smd: 1(-0.95,0) 2(0.95,0)
CP_Radial_D5.0mm_P2.00mm
  rect 1.6x1.6 hole 0.8: 1(0,0)
  round 1.6 hole 0.8: 2(2,0)
CP_Radial_D6.3mm_P2.50mm
  rect 1.6x1.6 hole 0.8: 1(0,0)
  round 1.6 hole 0.8: 2(2.5,0)
CP_Radial_D10.0mm_P5.00mm
  rect 2x2 hole 1: 1(0,0)
  round 2 hole 1: 2(5,0)
Crystal_SMD_3215-2Pin_3.2x1.5mm
  rect 1x1.8 smd: 1(1.25,0) 2(-1.25,0)
Crystal_SMD_5032-2Pin_5.0x3.2mm
  rect 2x2.4 smd: 1(-1.85,0) 2(1.85,0)
D_SOD-123F
  rrect 1.1x1.1 smd: 1(-1.4,0) 2(1.4,0)
D_SOD-323
  rrect 0.6x0.45 smd: 1(-1.05,0) 2(1.05,0)
DIN41612_C_3x40_Female_Vertical_THT
  round 2.85 hole 2.85 unplated: (2.24,5.63) (2.24,-104.69)
  rrect 1.55x1.55 hole 1: a1(0,-99.06)
  round 1.55 hole 1: a2(0,-96.52) a3(0,-93.98) a4(0,-91.44) a5(0,-88.9) a6(0,-86.36) a7(0,-83.82) a8(0,-81.28) a9(0,-78.74) a10(0,-76.2) a11(0,-73.66) a12(0,-71.12) a13(0,-68.58) a14(0,-66.04) a15(0,-63.5) a16(0,-60.96) a17(0,-58.42) a18(0,-55.88) a19(0,-53.34) a20(0,-50.8) a21(0,-48.26) a22(0,-45.72) a23(0,-43.18) a24(0,-40.64) a25(0,-38.1) a26(0,-35.56) a27(0,-33.02) a28(0,-30.48) a29(0,-27.94) a30(0,-25.4) a31(0,-22.86) a32(0,-20.32) a33(0,-17.78) a34(0,-15.24) a35(0,-12.7) a36(0,-10.16) a37(0,-7.62) a38(0,-5.08) a39(0,-2.54) a40(0,0) b1(2.54,-99.06) b2(2.54,-96.52) b3(2.54,-93.98) b4(2.54,-91.44) b5(2.54,-88.9) b6(2.54,-86.36) b7(2.54,-83.82) b8(2.54,-81.28) b9(2.54,-78.74) b10(2.54,-76.2) b11(2.54,-73.66) b12(2.54,-71.12) b13(2.54,-68.58) b14(2.54,-66.04) b15(2.54,-63.5) b16(2.54,-60.96) b17(2.54,-58.42) b18(2.54,-55.88) b19(2.54,-53.34) b20(2.54,-50.8) b21(2.54,-48.26) b22(2.54,-45.72) b23(2.54,-43.18) b24(2.54,-40.64) b25(2.54,-38.1) b26(2.54,-35.56) b27(2.54,-33.02) b28(2.54,-30.48) b29(2.54,-27.94) b30(2.54,-25.4) b31(2.54,-22.86) b32(2.54,-20.32) b33(2.54,-17.78) b34(2.54,-15.24) b35(2.54,-12.7) b36(2.54,-10.16) b37(2.54,-7.62) b38(2.54,-5.08) b39(2.54,-2.54) b40(2.54,0) c1(5.08,-99.06) c2(5.08,-96.52) c3(5.08,-93.98) c4(5.08,-91.44) c5(5.08,-88.9) c6(5.08,-86.36) c7(5.08,-83.82) c8(5.08,-81.28) c9(5.08,-78.74) c10(5.08,-76.2) c11(5.08,-73.66) c12(5.08,-71.12) c13(5.08,-68.58) c14(5.08,-66.04) c15(5.08,-63.5) c16(5.08,-60.96) c17(5.08,-58.42) c18(5.08,-55.88) c19(5.08,-53.34) c20(5.08,-50.8) c21(5.08,-48.26) c22(5.08,-45.72) c23(5.08,-43.18) c24(5.08,-40.64) c25(5.08,-38.1) c26(5.08,-35.56) c27(5.08,-33.02) c28(5.08,-30.48) c29(5.08,-27.94) c30(5.08,-25.4) c31(5.08,-22.86) c32(5.08,-20.32) c33(5.08,-17.78) c34(5.08,-15.24) c35(5.08,-12.7) c36(5.08,-10.16) c37(5.08,-7.62) c38(5.08,-5.08) c39(5.08,-2.54) c40(5.08,0)
DIP-40_W15.24mm_Socket
  rect 1.6x1.6 hole 0.8: 1(0,0)
  oval 1.6x1.6 hole 0.8: 2(0,-2.54) 3(0,-5.08) 4(0,-7.62) 5(0,-10.16) 6(0,-12.7) 7(0,-15.24) 8(0,-17.78) 9(0,-20.32) 10(0,-22.86) 11(0,-25.4) 12(0,-27.94) 13(0,-30.48) 14(0,-33.02) 15(0,-35.56) 16(0,-38.1) 17(0,-40.64) 18(0,-43.18) 19(0,-45.72) 20(0,-48.26) 21(15.24,-48.26) 22(15.24,-45.72) 23(15.24,-43.18) 24(15.24,-40.64) 25(15.24,-38.1) 26(15.24,-35.56) 27(15.24,-33.02) 28(15.24,-30.48) 29(15.24,-27.94) 30(15.24,-25.4) 31(15.24,-22.86) 32(15.24,-20.32) 33(15.24,-17.78) 34(15.24,-15.24) 35(15.24,-12.7) 36(15.24,-10.16) 37(15.24,-7.62) 38(15.24,-5.08) 39(15.24,-2.54) 40(15.24,0)
DIP-48_W15.24mm
  rect 1.6x1.6 hole 0.8: 1(0,0)
  oval 1.6x1.6 hole 0.8: 2(0,-2.54) 3(0,-5.08) 4(0,-7.62) 5(0,-10.16) 6(0,-12.7) 7(0,-15.24) 8(0,-17.78) 9(0,-20.32) 10(0,-22.86) 11(0,-25.4) 12(0,-27.94) 13(0,-30.48) 14(0,-33.02) 15(0,-35.56) 16(0,-38.1) 17(0,-40.64) 18(0,-43.18) 19(0,-45.72) 20(0,-48.26) 21(0,-50.8) 22(0,-53.34) 23(0,-55.88) 24(0,-58.42) 25(15.24,-58.42) 26(15.24,-55.88) 27(15.24,-53.34) 28(15.24,-50.8) 29(15.24,-48.26) 30(15.24,-45.72) 31(15.24,-43.18) 32(15.24,-40.64) 33(15.24,-38.1) 34(15.24,-35.56) 35(15.24,-33.02) 36(15.24,-30.48) 37(15.24,-27.94) 38(15.24,-25.4) 39(15.24,-22.86) 40(15.24,-20.32) 41(15.24,-17.78) 42(15.24,-15.24) 43(15.24,-12.7) 44(15.24,-10.16) 45(15.24,-7.62) 46(15.24,-5.08) 47(15.24,-2.54) 48(15.24,0)
DSUB-9_Male_Stack
  rect 1.6x1.6 hole 1: 1(-5.588,11.02) 10(-5.588,17.82)
  round 1.6 hole 1: 2(-2.818,11.02) 3(-0.048,11.02) 4(2.722,11.02) 5(5.492,11.02) 6(-4.203,8.18) 7(-1.433,8.18) 8(1.337,8.18) 9(4.107,8.18) 11(-2.818,17.82) 12(-0.048,17.82) 13(2.722,17.82) 14(5.492,17.82) 15(-4.203,14.98) 16(-1.433,14.98) 17(1.337,14.98) 18(4.107,14.98)
  round 4 hole 3.2: 19(-12.548,16.4) 19(-12.548,8.5) 19(12.452,16.4) 19(12.452,8.5)
